# Altium PCB 2016_FDP_PCB.PcbDoc (part 1 of 3)
Units mil, origin at the board's own origin, x right, y up, seen from the top; angles counter-clockwise.
Board outline 4330.71 x 8858.27 mil, 4 copper layers (1-TOP, 2-GND, 3-SIGNAL, 4-BOT); 304 components, 243 nets, 1184 pads, 446 vias.
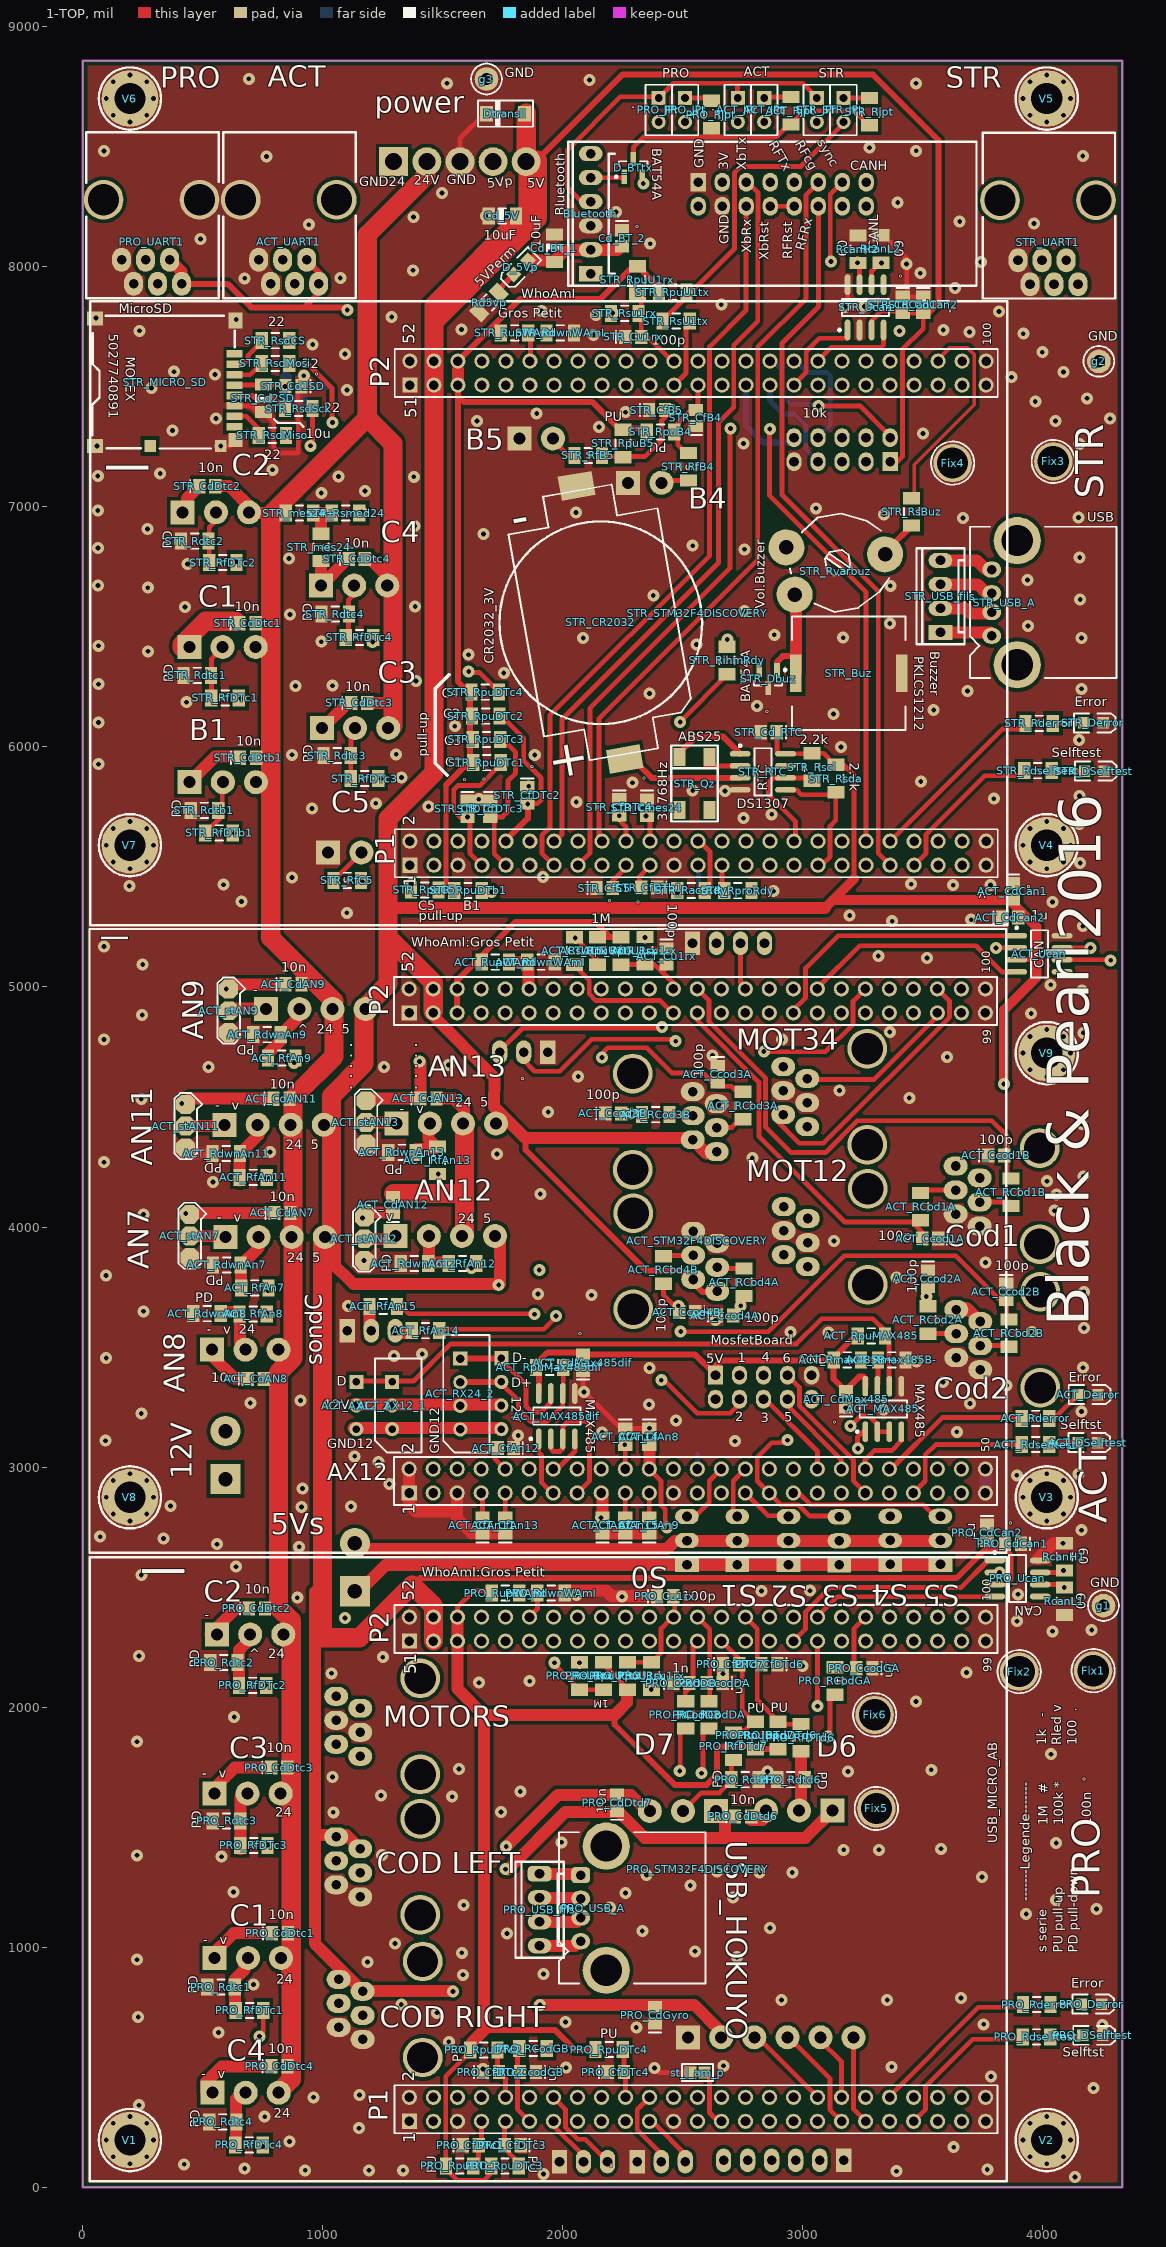
[diagram p0: 1-TOP view]
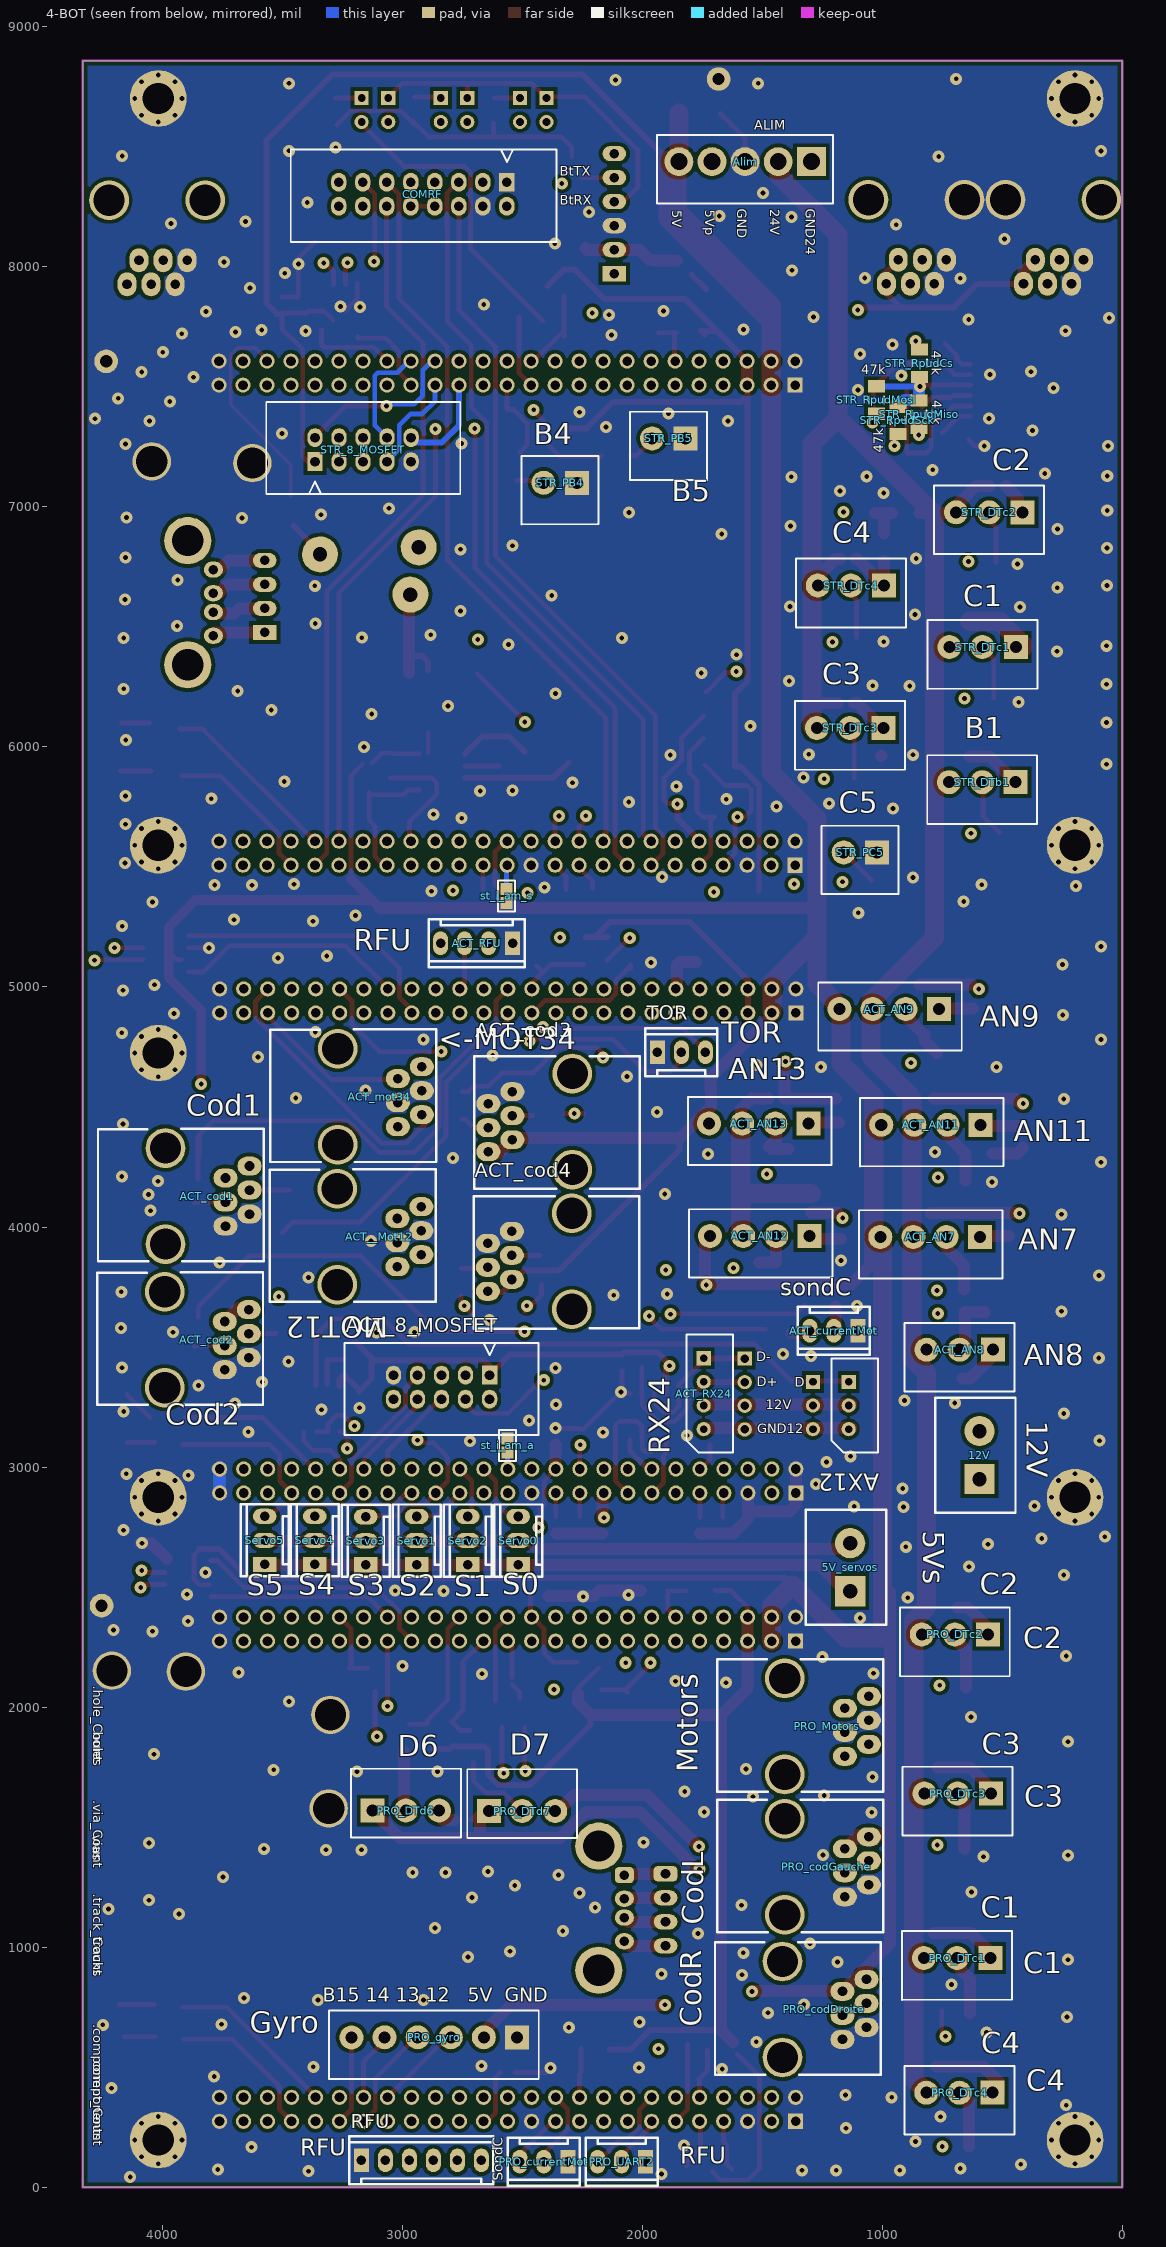
[diagram p1: 4-BOT view, seen from below]
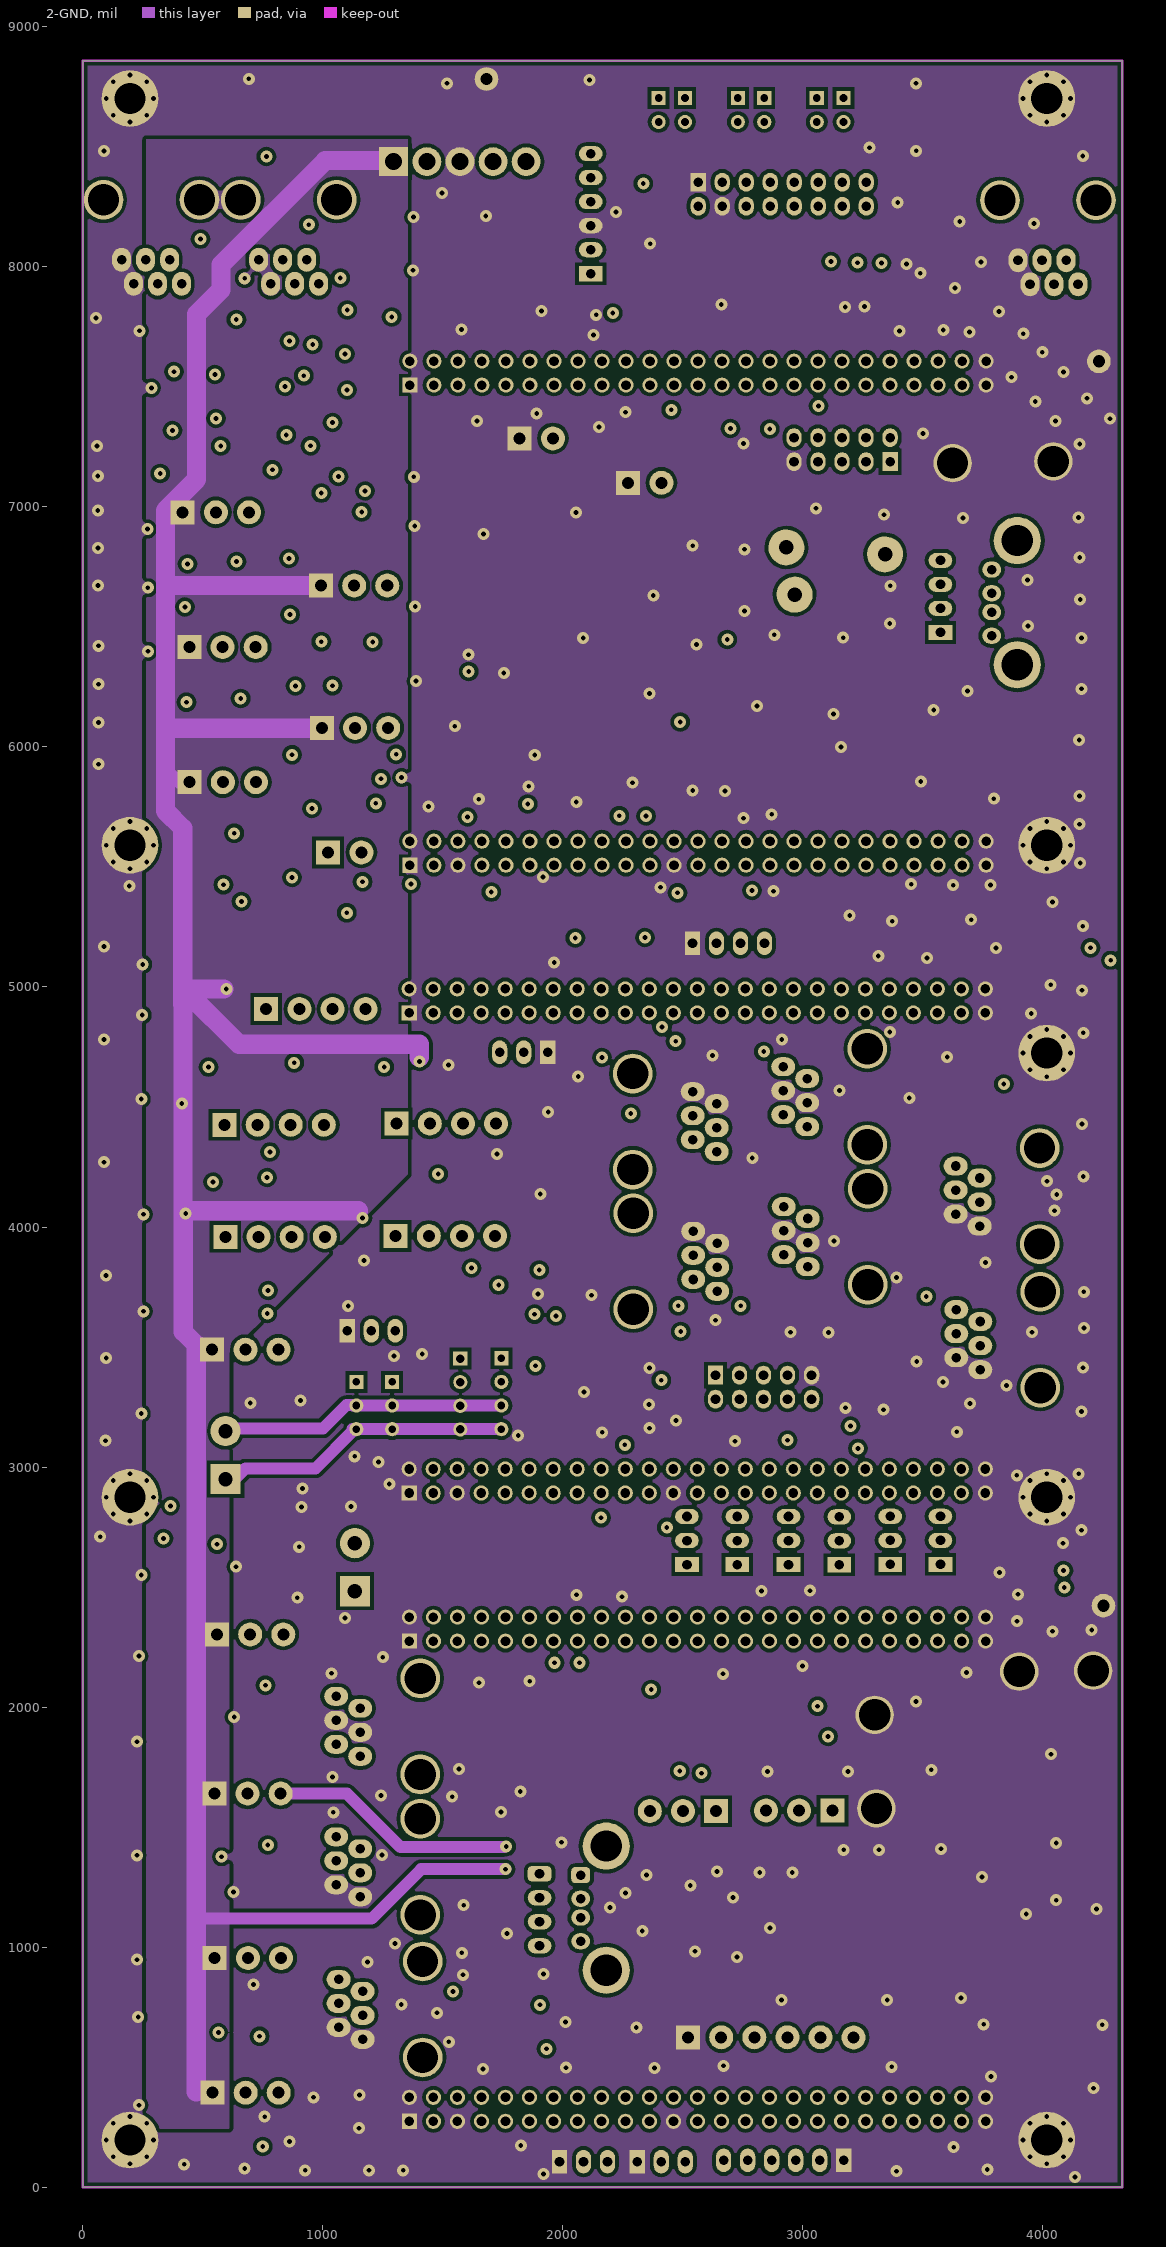
[diagram p2: 2-GND]
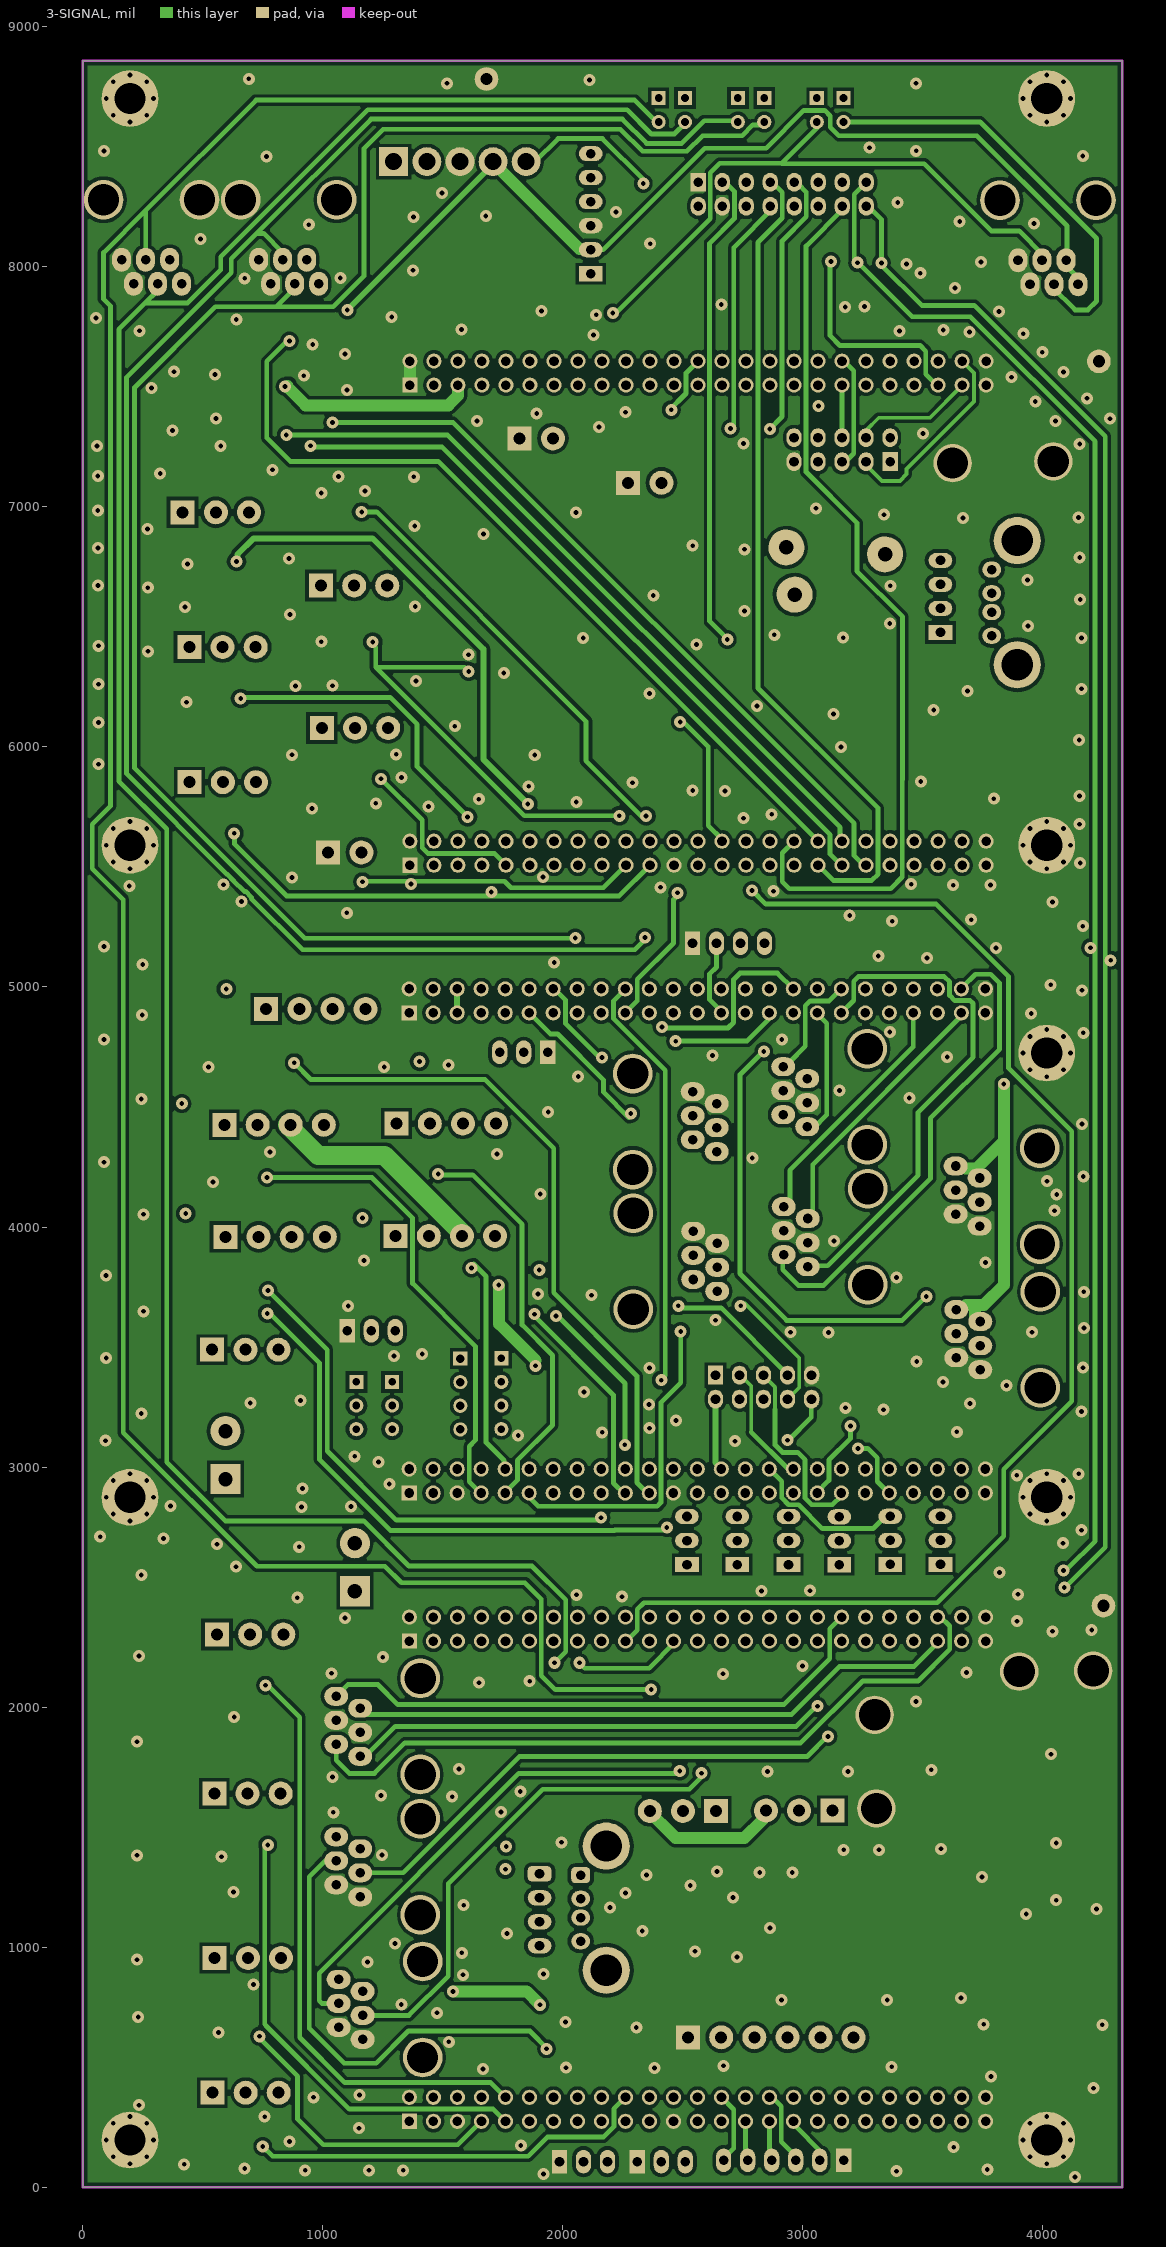
[diagram p3: 3-SIGNAL]
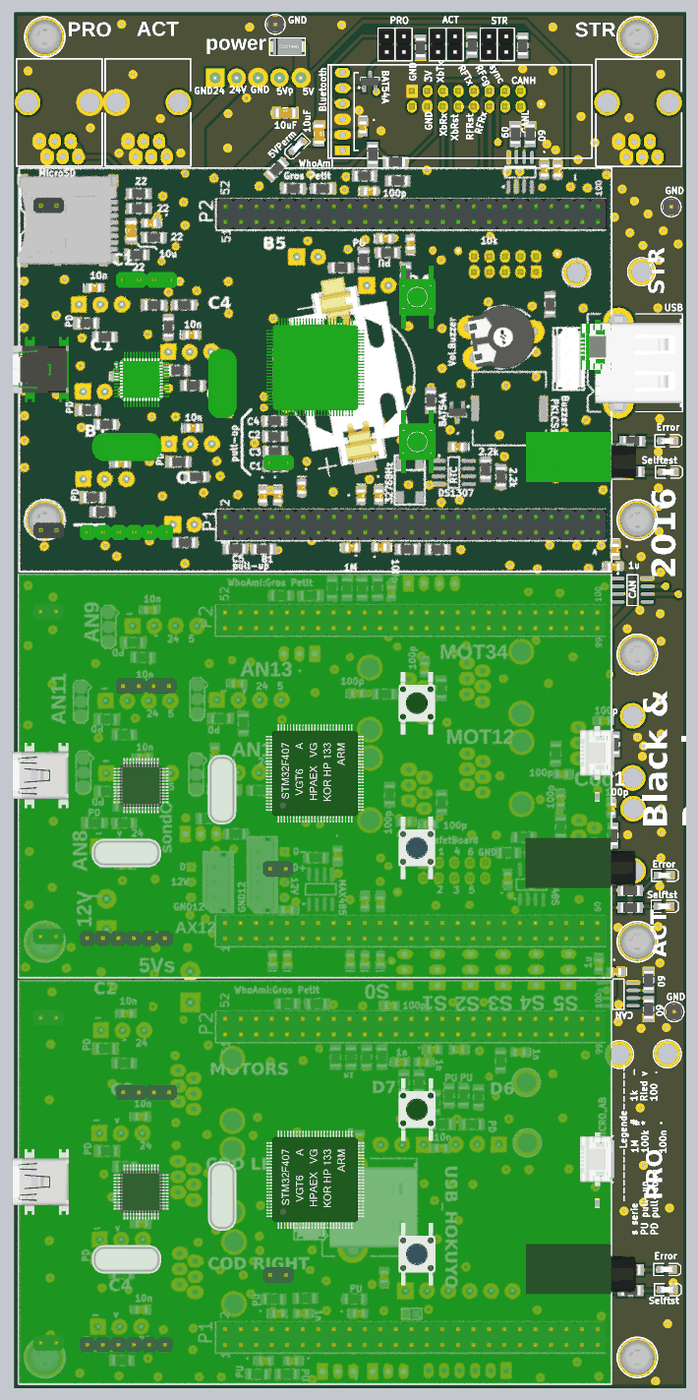
[diagram p6: 3D render of the assembled board from above, using the file's embedded part models]
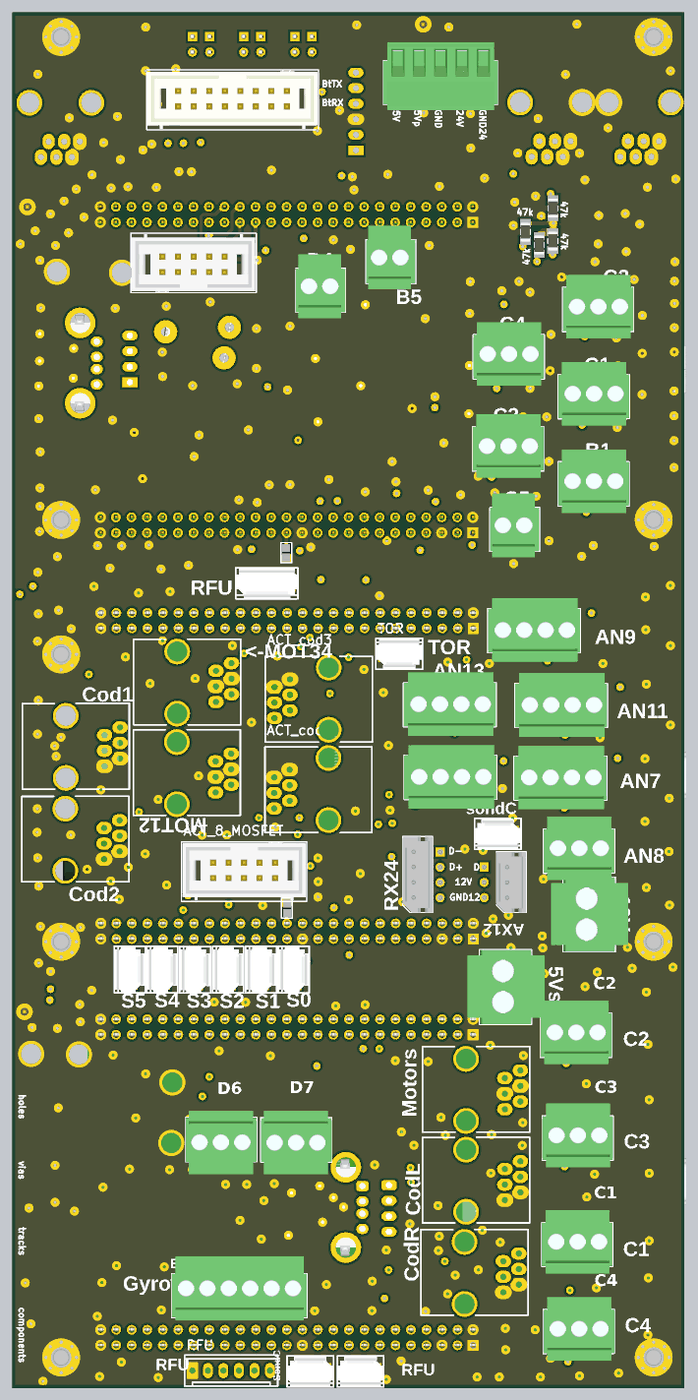
[diagram p7: 3D render of the assembled board from below, using the file's embedded part models]

## Layer stack, top to bottom
Top Solder: solder mask 0.4, Solder Resist, Dk 3.5
1-TOP: signal copper 1.4
Dielectric1: core 12.6, FR-4, Dk 4.8
2-GND: signal copper 1.4
Dielectric2: prepreg 12.6, FR-4, Dk 4.8
3-SIGNAL: signal copper 1.4
Dielectric3: core 12.6, FR-4, Dk 4.8
4-BOT: signal copper 1.4
Bottom Solder: solder mask 0.4, Solder Resist, Dk 3.5

## Board outline
0.01,0.01 0.01,8858.28 4330.72,8858.28 4330.72,0.01

## Design rules (kind name [scope] priority, off if disabled: settings)
Clearance Clearance_1 [InNamedPolygon('2-GND') Or  InNamedPolygon('1-GND') Or  InNamedPolygon('3-GND') Or InNamedPolygon('2-GND24') Or  InNamedPolygon('4-GND')] p1: gap=15
Clearance [All] p2: gap=7
FabricationTestpoint [(IsPad And (OnTopLayer Or OnBottomLayer))] p1: side=3 testpointundercomponent=TRUE minsize=40 maxsize=100 preferedsize=60 minholesize=0 maxholesize=40 preferedholesize=32 testpointgrid=1 allowsidetop=TRUE allowsidebottom=TRUE usegrid=TRUE gridtolerance=0.01
HoleSize [All] p1: absolutevalues=TRUE maxlimit=200 minlimit=1 maxpercent=80.000 minpercent=20.000
PlaneConnect [All] p1: planeconnectstyle=Direct reliefexpansion=20 reliefentries=4 reliefconductorwidth=10 reliefairgap=10
PolygonConnect [All] p1: connectstyle=Direct reliefconductorwidth=10 reliefentries=4 polygonreliefangle="90 Angle" airgapwidth=10
RoomDefinition 2016_FDP_SCHEMA [InComponentClass('2016_FDP_SCHEMA')] p1: confinementstyle=ConfineIn formatcopy=TRUE lockcomponents=FALSE outline -3937,-3937 -1937,-3937 -1937,-2937 -3937,-2937
RoomDefinition Strategie [InComponentClass('Strategie')] p2: confinementstyle=ConfineIn formatcopy=TRUE lockcomponents=FALSE outline 4376,55 8886,55 8886,872 4376,872
RoomDefinition Actionneur [InComponentClass('Actionneur')] p3: confinementstyle=ConfineIn formatcopy=TRUE lockcomponents=FALSE outline -4097.99,-4336.99 -1582,-4336.99 -1582,-2901 -4097.99,-2901
RoomDefinition Propulsion [InComponentClass('Propulsion')] p4: confinementstyle=ConfineIn formatcopy=TRUE lockcomponents=FALSE outline -4999.99,-4999.99 -2999.99,-4999.99 -2999.99,-3999.99 -4999.99,-3999.99
RoutingVias [All] p1: holewidth=28 width=50 viastyle="Through Hole" minholewidth=28 minwidth=50 maxholewidth=28 maxwidth=50
SilkToSolderMaskClearance SilkscreenOverComponentPads [IsPad] p1: minsilkscreentomaskgap=10 clearancetoexposedcopper=TRUE
SolderMaskExpansion [All] p1: expansion=4
Width [All] p1: maxlimit=200 minlimit=10 preferedwidth=15
25 further rules are at their usual default settings.

## Classes and differential pairs
component class Actionneur: ACT_8_MOSFET ACT__Mot12 ACT_AN7 ACT_AN8 ACT_AN9 ACT_AN11 ACT_AN12 ACT_AN13 ACT_AX12_1 ACT_AX12_2 ACT_Ccod1A ACT_Ccod1B ACT_Ccod2A ACT_Ccod2B ACT_Ccod3A ACT_Ccod3B ACT_Ccod4A ACT_Ccod4B ACT_CdAN7 ACT_CdAN8 ACT_CdAN9 ACT_CdAN11 ACT_CdAN12 ACT_CdAN13 ACT_CdCan1 ACT_CdCan2 ACT_CdMax485 ACT_CdMax485dif ACT_CfAn7 ACT_CfAn8 ACT_CfAn9 ACT_CfAn11 ACT_CfAn12 ACT_CfAn13 ACT_CfAn14 ACT_CfAn15 ACT_cod1 ACT_cod2 ACT_cod3 ACT_cod4 ACT_Cu1rx ACT_currentMot ACT_Derror ACT_DSelftest ACT_MAX485 ACT_MAX485dif ACT_mot34 ACT_RCod1A ACT_RCod1B ACT_RCod2A ACT_RCod2B ACT_RCod3A ACT_RCod3B ACT_RCod4A ACT_RCod4B ACT_Rderror ACT_Rdselftest ACT_RdwnAn7 ACT_RdwnAn8 ACT_RdwnAn9 ACT_RdwnAn11 ACT_RdwnAn12 ACT_RdwnAn13 ACT_RdwnWAmI ACT_RfAn7 ACT_RfAn8 ACT_RfAn9 ACT_RfAn11 ACT_RfAn12 ACT_RfAn13 ACT_RfAn14 ACT_RfAn15 ACT_RFU ACT_Rmax485B+ ACT_Rmax485B- ACT_RpuMAX485 ACT_RpuMax485dif ACT_RpuU1rx ACT_RpuU1tx ACT_Rsu1rx ACT_RsU1tx ACT_RupWAmI ACT_RX24 ACT_RX24_2 ACT_stAN7 ACT_stAN9 ACT_stAN11 ACT_stAN12 ACT_stAN13 ACT_STM32F4DISCOVERY ACT_UART1 ACT_Ucan C? Cd? CdDtc4 CdMax485 CdMax485dif CfDTc1 Cfsw? CfswE8 J? J_DT? J_DTc4 J_gyro J_Mot12 Jcod1 Jcod2 Jmot34 KD? Qtor1 Qtor2 R? RfDT? RfDTc2 RpdTor1 RpdTor2 Rpusw? RpuswE7 RsBPE12 RsTor1 RsTor2 S? Servo0 Servo1 Servo2 Servo3 Servo4 Servo5 st_i_am_a Stor1 Stor2 Sw? TOR U?
component class Propulsion: CBPE12 CdDtc1 CdDtc2 CdDtc3 CdDtc4 CfDTc1 CfDTc2 CfDTc3 CfDTc4 CfswE7 CfswE8 CfswE9 J? J_DTc1 J_DTc2 J_DTc3 J_DTc4 J_gyro J_UART2 JcodDroite JcodGauche KD? PRO_CcodDA PRO_CcodDB PRO_CcodGA PRO_CcodGB PRO_CdCan1 PRO_CdCan2 PRO_CdDtc1 PRO_CdDtc2 PRO_CdDtc3 PRO_CdDtc4 PRO_CdDtd6 PRO_CdDtd7 PRO_CdGyro PRO_CfDTc1 PRO_CfDTc2 PRO_CfDTc3 PRO_CfDTc4 PRO_CfDTd6 PRO_CfDTd7 PRO_codDroite PRO_codGauche PRO_Cu1rx PRO_currentMot PRO_Derror PRO_DSelftest PRO_DTc1 PRO_DTc2 PRO_DTc3 PRO_DTc4 PRO_DTd6 PRO_DTd7 PRO_gyro PRO_Motors PRO_RCodDA PRO_RCodDB PRO_RCodGA PRO_RCodGB PRO_Rderror PRO_Rdselftest PRO_Rdtc1 PRO_Rdtc2 PRO_Rdtc3 PRO_Rdtc4 PRO_Rdtd6 PRO_Rdtd7 PRO_RdwnWAmI PRO_RfDTc1 PRO_RfDTc2 PRO_RfDTc3 PRO_RfDTc4 PRO_RfDTd6 PRO_RfDTd7 PRO_RpuDTc1 PRO_RpuDTc2 PRO_RpuDTc3 PRO_RpuDTc4 PRO_RpuDTd6 PRO_RpuDTd7 PRO_RpuU1rx PRO_RpuU1tx PRO_Rsu1rx PRO_RsU1tx PRO_RupWAmI PRO_STM32F4DISCOVERY PRO_UART1 PRO_UART2 PRO_Ucan Rdtc1 Rdtc2 Rdtc3 Rdtc4 RfDTc1 RfDTc2 RfDTc3 RfDTc4 RFU RpuBPE12 RpuswE7 RpuswE8 RpuswE9 RsBPE12 RsSwE7 RsSwE8 RsSwE9 st_i_am_p SwE7 SwE8 SwE9
component class 2016_FDP_SCHEMA: 5V_servos 12V ACT_JPr ACT_JPt ACT_Rjpt Alim Bluetooth Cd_5V Cd_BT_1 Cd_BT_2 COMRF D_5Vp D_BTtx Dtransil Fix1 Fix2 Fix3 Fix4 Fix5 Fix6 g1 g2 g3 PRO_JPr PRO_JPt PRO_Rjpt PRO_USB_A PRO_USB_fils RcanH1 RcanH2 RcanL1 RcanL2 Rd5vp STR_JPr STR_JPt STR_RactRdy STR_RihmRdy STR_Rjpt STR_RproRdy STR_USB_A STR_USB_fils V1 V2 V3 V4 V5 V6 V7 V8 V9
component class Strategie: st_i_am_s STR_8_MOSFET STR_Buz STR_Cd1SD STR_Cd2SD STR_Cd_RTC STR_CdCan1 STR_CdCan2 STR_CdDtb1 STR_CdDtc1 STR_CdDtc2 STR_CdDtc3 STR_CdDtc4 STR_CfB4 STR_CfB5 STR_CfC5 STR_CfDTb1 STR_CfDTc1 STR_CfDTc2 STR_CfDTc3 STR_CfDTc4 STR_Cmes24 STR_CR2032 STR_Cu1rx STR_Dbuz STR_Derror STR_DSelftest STR_DTb1 STR_DTc1 STR_DTc2 STR_DTc3 STR_DTc4 STR_mes24+ STR_mes24- STR_MICRO_SD STR_PB4 STR_PB5 STR_PC5 STR_Qz STR_Rderror STR_Rdselftest STR_Rdtb1 STR_Rdtc1 STR_Rdtc2 STR_Rdtc3 STR_Rdtc4 STR_RdwnWAmI STR_RfB4 STR_RfB5 STR_RfC5 STR_RfDTb1 STR_RfDTc1 STR_RfDTc2 STR_RfDTc3 STR_RfDTc4 STR_RpuB4 STR_RpuB5 STR_RpuC5 STR_RpudCs STR_RpudMiso STR_RpudMosi STR_RpudSck STR_RpuDTb1 STR_RpuDTc1 STR_RpuDTc2 STR_RpuDTc3 STR_RpuDTc4 STR_RpuU1rx STR_RpuU1tx STR_RsBuz STR_Rscl STR_Rsda STR_RsdCS STR_RsdMiso STR_RsdMosi STR_RsdSck STR_Rsmed24 STR_Rsu1rx STR_RsU1tx STR_RTC STR_RupWAmI STR_Rvarbuz STR_STM32F4DISCOVERY STR_UART1 STR_Ucan
